# Altium PCB edison_breakout2.PcbDoc (part 3 of 3)
Units mil, origin at the board's own origin, x right, y up, seen from the top; angles counter-clockwise.
Board outline 3154.64 x 2013.03 mil, 6 copper layers (Top Layer, GND, VCC, Signal Layer 2, GND (Mid4), Bottom Layer), stack 48.468 mil thick; 204 components, 180 nets, 878 pads, 400 vias.
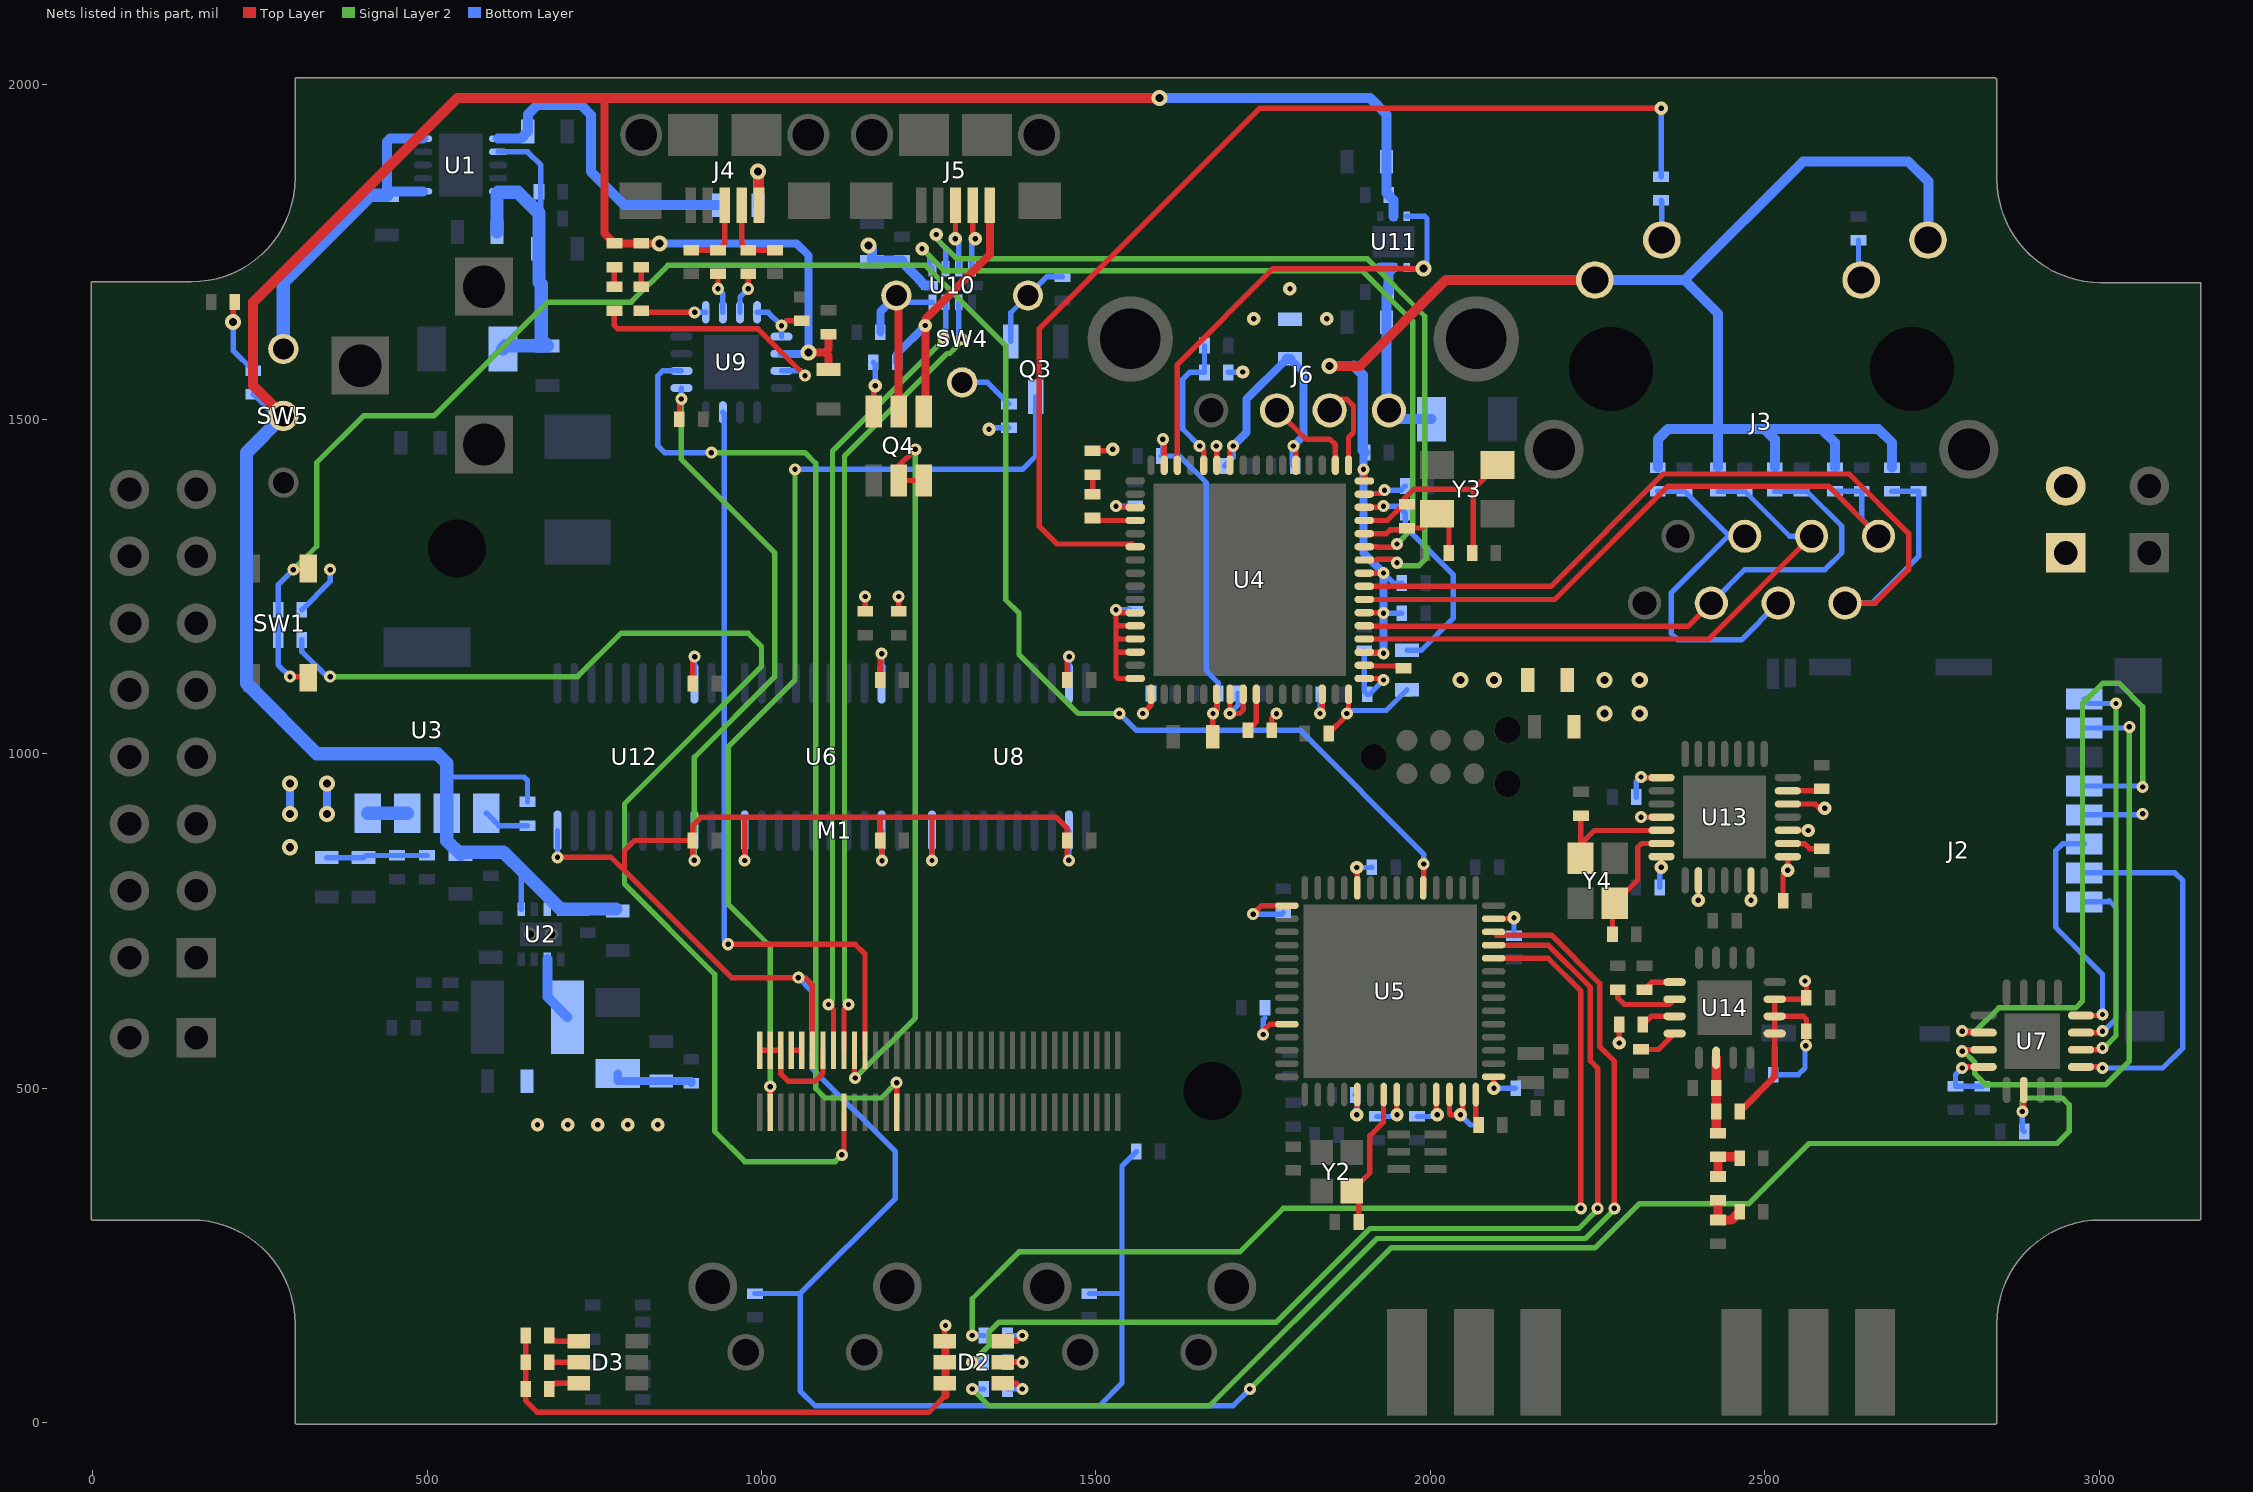
[diagram p7: the nets of this part, all layers, seen from the top]

## Via types
v1: diameter 18, hole 8, Top Layer to Bottom Layer, 232 vias
v2: diameter 20, hole 8, Top Layer to Bottom Layer, 57 vias
v3: diameter 24, hole 12, Top Layer to Bottom Layer, 47 vias
v4: diameter 19.68, hole 7.87, Top Layer to Bottom Layer, 42 vias
v5: diameter 22, hole 8, Top Layer to Bottom Layer, 18 vias
v6: diameter 150, hole 137.8, Top Layer to Bottom Layer, 4 vias

## Nets (pads, with @x,y where several pads share a name; then routed paths per layer and width w, separated by ;. In a path a pad name is that pad's centre, name@x,y a point inside that pad or via, vN(x,y) a via of type N, cw(c..) or ccw(c..) an arc to the next point about the centre after c; other vN are vias at no path point) (continued)
NetC51_2: C51.2 U5.35 Y2.3 | length 214.3
  Top Layer w8: C51.2@1892.72,299.8 1892.72,336.18 Y2.3@1882.64,346.26 1909.37,372.99 1909.37,428.46 1930,449.09 1930,490.12 U5.35@1930.16,490.28
NetC59_1: C59.1 R45.1 U4.61 Y3.3 | length 331
  Top Layer w8: U4.61@1901.26,1348.58 1935.45,1348.58 1959.59,1372.72 R45.1@1965,1372.72 ; R45.1@1960,1380 1975,1395 2063.86,1395 ; C59.1@2062.28,1300 2063.86,1301.57 2063.86,1395 ; Y3.3@2100.28,1431.42 2063.86,1395
NetC60_1: C60.1 R26.2 U4.12 | length 218
  Top Layer w8: v1(1655,1460) 1661,1454 1661,1431.36 U4.12@1661.1,1431.26
  Bottom Layer w8: v1(1655,1460) 1630,1485 1630,1560 1640,1570 R26.2@1662.28,1570 C60.1@1662.28,1610
NetC61_1: C61.1 J3.4 J3.5 R24.2 | length 527.3
  Bottom Layer w8: R24.2@2340,1392.28 C61.1@2380,1392.28 J3.5@2447.28,1325 ; J3.5@2470,1325 J3.5@2447.28,1325 ; J3.4@2520,1225 2465,1170 2370,1170 2360,1180 2360,1240 2445,1325 J3.5@2447.28,1325
NetC69_1: C69.1 J4.2 R29.1 | length 110.9
  Top Layer w8: J4.2@970.59,1819.68 970.59,1762.13 R29.1@980,1752.72 C69.1@1020,1752.72
NetC70_1: C70.1 J4.3 R32.1 | length 111.1
  Top Layer w8: C70.1@895,1752.72 R32.1@935,1752.72 945,1762.72 J4.3@945,1819.68
NetC87_1: C87.1 C90.1 L5.1 | length 66.9
  Top Layer w14: L5.1@2430,332.28 C87.1@2430,302.72 2450,302.72 C90.1@2462.28,315
NetC88_1: C88.1 L2.2 L4.2 U14.10 | length 109.7
  Top Layer w14: L4.2@2427.2,435.51 U14.10@2427.2,545.2
NetC89_1: C89.1 L4.1 L5.2 | length 59.6
  Top Layer w14: L5.2@2430,367.72 L4.1@2430,397.28 C89.1@2460,397.28
NetC91_1: C91.1 U13.27 | length 52
  Top Layer w8: U13.27@2534.49,944.68 U13.27@2534.49,944.37 2582.09,944.37 C91.1@2585,947.28
NetC92_1: C92.1 U13.12 Y4.1 | length 193
  Top Layer w8: Y4.1@2224.41,843.46 2225,844.06 Y4.1@2225,865 ; C92.1@2225,907.28 Y4.1@2225,865 ; U13.12@2345.51,885.31 2345.2,885 2245,885 Y4.1@2225,865
NetC93_1: C93.1 U13.13 Y4.3 | length 183.5
  Top Layer w8: C93.1@2272.28,730 2272.28,773.23 Y4.3@2275.59,776.54 2310,810.94 2310,860 2315.63,865.63 U13.13@2345.51,865.63
NetC96_1: C96.1 R45.2 U4.60 Y3.1 | length 186.8
  Top Layer w8: U4.60@1901.26,1328.9 1934.31,1328.9 1940,1334.58 1962.3,1334.58 R45.2@1965,1337.28 1988.43,1337.28 Y3.1@2009.72,1358.58 2027.72,1340.59 C96.1@2027.72,1300
NetC97_1: C97.1 U9.8 U9.9 | length 94.4
  Top Layer w8: v1(1029.8,1639.8) 1037.28,1647.28 C97.1@1060,1647.28
  Bottom Layer w8: U9.8@993.39,1659.8 1009.8,1659.8 v1(1029.8,1639.8) U9.9@1029.8,1623.39
NetD1_1: D1.1 R1.2 | length 115.8
  Top Layer w8: v3(210,1645) 210,1672.28 D1.1@212.72,1675
  Bottom Layer w8: v3(210,1645) 210,1602.72 R1.2@240,1572.72
NetD2_1: D2.1 R4.1 | length 55.2
  Top Layer w8: D2.1@1360.59,58.5 1381.5,58.5 v1(1390,50)
  Bottom Layer w8: R4.1@1367.72,50 v1(1390,50)
NetD2_2: D2.2 R5.1 | length 51.7
  Top Layer w8: D2.2@1360.59,90 v1(1390,90)
  Bottom Layer w8: R5.1@1367.72,90 v1(1390,90)
NetD2_3: D2.3 R6.2 | length 55.2
  Top Layer w8: D2.3@1360.59,121.5 1381.5,121.5 v1(1390,130)
  Bottom Layer w8: R6.2@1367.72,130 v1(1390,130)
NetD3_4: D3.4 R14.1 | length 47.5
  Top Layer w8: R14.1@682.72,130 691.22,121.5 D3.4@726.69,121.5
NetD3_5: D3.5 R13.1 | length 44
  Top Layer w8: R13.1@682.72,90 D3.5@726.69,90
NetD3_6: D3.6 R12.1 | length 47.5
  Top Layer w8: R12.1@682.72,50 691.22,58.5 D3.6@726.69,58.5
NetD4_2: D4.2 R25.1 | length 29.6
  Top Layer w8: R25.1@1495,1387.72 D4.2@1495,1417.28
NetD5_1: D5.1 R30.2 | length 29.6
  Top Layer w8: D5.1@780,1697.72 R30.2@780,1727.28
NetD5_2: D5.2 U9.11 | length 376.5
  Top Layer w8: D5.2@780,1662.28 780,1640 785,1635 995,1635 v1(1065,1565)
  Bottom Layer w8: U9.11@1029.8,1572.2 1057.8,1572.2 v1(1065,1565)
NetD6_1: D6.1 R31.2 | length 29.6
  Top Layer w8: D6.1@820,1697.72 R31.2@820,1727.28
NetD6_2: D6.2 U9.5 | length 97.6
  Top Layer w8: D6.2@820,1662.28 822.48,1659.8 v1(900,1659.8)
  Bottom Layer w8: v1(900,1659.8) U9.5@916.61,1659.8
NetFB5_2: FB5.2 J4.1 | length 101
  Top Layer w15: v3(995,1870) 996.18,1868.82 J4.1@996.18,1819.68
  Bottom Layer w15: FB5.2@994.53,1820 995,1820.47 v3(995,1870)
NetJ3_10: J3.10 R27.2 | length 60.9
  Bottom Layer w8: R27.2@2640,1767.28 2640,1712.09 J3.10@2644.02,1708.07
NetJ3_11: J3.11 R28.2 | length 59.8
  Bottom Layer w8: R28.2@2345,1827.28 2345.98,1826.3 J3.11@2345.98,1767.91
NetJ5_1: J5.1 Q4.4 R35.2 | length 422
  Top Layer w12: Q4.4@1242.4,1511.57 1245,1514.17 v2(1245,1640) 1245,1650 1341.69,1746.69 1341.69,1819.18 J5.1@1341.18,1819.68
  Bottom Layer w12: R35.2@1202.72,1585 1202.72,1597.72 v2(1245,1640)
NetL1_2: L1.2 U2.2 | length 99.1
  Bottom Layer w15: U2.2@679.84,692.6 679.84,636.2 L1.2@710.04,606
NetM1_3: M1.3 Q3.3 | length 1485.7
  Top Layer w8: M1.3@1013.03,463.74 v1(1013.03,501.97)
  Signal Layer 2 w8: v1(1013.03,501.97) 1013.03,711.97 950,775 950,1010 1050,1110 v1(1050,1425)
  Bottom Layer w8: v1(1050,1425) 1390,1425 1410,1445 Q3.3@1410,1533.66
NetM1_17: M1.17 R15.1 | length 1898
  Top Layer w8: v1@1123.27,400 M1.17@1123.27,463.74
  Signal Layer 2 w8: v1(355,1115) 725,1115 790,1180 980,1180 1000,1160 1000,1130 795,925 795,805 930,670 930,435 975,390 1110,390 v1(1120,400)
  Bottom Layer w8: R15.1@312.72,1170 312.72,1152.28 350,1115 v1(355,1115)
NetM1_20: M1.20 Q4.2 Q4.3 | length 1113.3
  Top Layer w8: M1.20@1139.02,556.26 1139.02,515.98 v1(1140,515) ; v1(1230,1455) 1205,1430 Q4.2@1205,1408.43 Q4.3@1242.4,1408.43
  Signal Layer 2 w8: v1(1140,515) 1230,605 v1(1230,1455)
NetM1_22: M1.22 U9.15 | length 1153.3
  Top Layer w8: v1(950,715) 1140,715 1154.76,700.24 M1.22@1154.76,556.26
  Bottom Layer w8: U9.15@942.2,1510.2 944.16,1508.24 944.16,720.84 v1(950,715)
NetM1_27: M1.27 U9.2 | length 1505.5
  Top Layer w8: M1.27@1202.01,463.74 v1(1202.01,507.99)
  Signal Layer 2 w8: v1(925,1450) 1065,1450 1081,1434 1081,499 1095,485 1179.02,485 v1(1202.01,507.99)
  Bottom Layer w8: U9.2@880.2,1572.2 852.2,1572.2 845,1565 845,1460 855,1450 v1(925,1450)
NetQ3_1: Q3.1 R33.1 SW4.2 | length 142.4
  Bottom Layer w8: Q3.1@1372.6,1616.34 1372.6,1659.13 SW4.2@1398.43,1684.96 1426.18,1712.72 R33.1@1450,1712.72
NetQ4_6: Q4.6 R35.1 | length 75.5
  Top Layer w8: Q4.6@1167.6,1511.57 1167.6,1547.6 v2(1170,1550)
  Bottom Layer w8: R35.1@1167.28,1585 1170,1582.28 v2(1170,1550)
NetR4_2: R4.2 U5.54 | length 1646.9
  Top Layer w8: U5.54@2094.53,733.39 2099.29,728.62 2180.98,728.62 2253,656.6 2253,562 2275,540 v1(2275,320)
  Signal Layer 2 w8: v1(1315,50) 1340,25 1670,25 1920,275 2231.87,275 2275,318.13 v1(2275,320)
  Bottom Layer w8: v1(1315,50) R4.2@1332.28,50
NetR5_2: R5.2 U5.53 | length 1571.2
  Top Layer w8: U5.53@2094.53,713.7 2176.1,713.7 2239,650.8 2239,541 2250,530 v1(2250,320) v1@2245,320
  Signal Layer 2 w8: v1(1315,90) 1340,115 1340,135 1355,150 1770,150 1910,290 2221.87,290 2250,318.13 v1(2250,320)
  Bottom Layer w8: v1(1315,90) R5.2@1332.28,90
NetR6_1: R6.1 U5.52 | length 1514
  Top Layer w8: U5.52@2094.53,694.02 2175.98,694.02 2225,645 v1(2225,320)
  Signal Layer 2 w8: v1(1315,130) 1315,185 1385,255 1715,255 1780,320 v1(2225,320)
  Bottom Layer w8: v1(1315,130) R6.1@1332.28,130
NetR8_1: R8.1 U5.42 | length 47.3
  Top Layer w8: U5.42@2067.95,490.28 2067.95,449.13 R8.1@2072.28,444.8
NetR11_2: R11.2 R15.2 SW1.1 SW1.2 U5.5 | length 2853.8
  Top Layer w8: v1(295,1115) 320.63,1115 SW1.2@322.32,1113.31 ; v1(300,1275) 301.69,1276.69 SW1.1@322.32,1276.69 ; U5.5@1989.21,799.33 1990,800.12 v1(1990,835)
  Signal Layer 2 w8: v1(300,1275) 335,1310 335,1435 405,1505 510,1505 680,1675 805,1675 860,1730 1245,1730 1365,1610 1365,1230 1385,1210 1385,1148.13 1473.13,1060 v1(1535,1060)
  Bottom Layer w8: v1(295,1115) 277.28,1132.72 R15.2@277.28,1170 R11.2@277.28,1215 277.28,1252.28 v1(300,1275) ; v1(1535,1060) 1560,1035 1805,1035 1990,850 v1(1990,835)
NetR18_2: R18.2 U4.50 | length 63.1
  Top Layer w8: U4.50@1901.26,1132.05 1901.26,1131 1960,1131 R18.2@1960,1127.72
NetR19_2: R19.2 U4.41 | length 58.9
  Top Layer w8: R19.2@1727.28,1035 1739.84,1047.56 U4.41@1739.84,1088.74
NetR25_2: R25.2 U4.20 | length 65.7
  Top Layer w8: R25.2@1495,1352.28 1498.7,1348.58 U4.20@1558.74,1348.58 U4.20@1558.74,1349
NetR29_2: R29.2 U9.7 | length 62.5
  Top Layer w8: v1(980,1695) R29.2@980,1717.28
  Bottom Layer w8: U9.7@967.8,1659.8 967.8,1682.8 v1(980,1695)
NetR32_2: R32.2 U9.6 | length 60.5
  Top Layer w8: v1(935,1695) R32.2@935,1717.28
  Bottom Layer w8: v1(935,1695) 942.2,1687.8 U9.6@942.2,1659.8
NetR34_1: R34.1 SW4.C | length 83.4
  Bottom Layer w8: SW4.C@1300,1555.04 1337.68,1555.04 R34.1@1370,1522.72
NetR37_1: R37.1 U4.63 | length 66.6
  Top Layer w8: U4.63@1901.26,1387.95 1901.26,1389 1926.3,1389 v1(1931.3,1394)
  Bottom Layer w8: v1(1931.3,1394) 1956.28,1394 R37.1@1962.28,1400
NetR38_2: R38.2 U14.5 | length 49.8
  Top Layer w8: R38.2@2320,647.28 2331.1,658.39 U14.5@2365.2,658.39
NetR39_2: R39.2 U14.6 | length 104.9
  Top Layer w8: R39.2@2280,647.28 2280,635 2290,625 2357.4,625 U14.6@2365.2,632.8
NetR40_2: R40.2 U14.7 | length 52.5
  Top Layer w8: R40.2@2317.72,595 2329.92,607.2 U14.7@2365.2,607.2
NetR41_1: R41.1 U14.8 | length 60.1
  Top Layer w8: R41.1@2315,557.72 2341.3,557.72 U14.8@2365.2,581.61
NetR42_1: R42.1 U13.23 | length 54.2
  Top Layer w8: U13.23@2534.49,865.63 2534.49,865 2560,865 2567.28,857.72 R42.1@2585,857.72
NetR43_2: R43.2 U3.1 | length 69.2
  Bottom Layer w8: U3.1@588.58,910.98 607.28,892.28 R43.2@650,892.28
RX_N: C65.1 J3.6 R23.2 U4.53 | length 921.3
  Top Layer w8: U4.53@1901.26,1191.1 1902.17,1190.2 2385.2,1190.2 J3.6@2420,1225
  Bottom Layer w8: J3.6@2420,1225 2470,1275 2590,1275 2615,1300 2615,1340 2562.72,1392.28 C65.1@2555,1392.28 R23.2@2515,1392.28
RX_P: C64.1 J3.3 R22.2 U4.52 | length 900.2
  Top Layer w8: U4.52@1901.26,1171.42 2416.42,1171.42 J3.3@2570,1325
  Bottom Layer w8: R22.2@2430,1392.28 C64.1@2470,1392.28 2537.28,1325 J3.3@2570,1325
S\P\D\: R28.1 U4.22 | length 1620.3
  Top Layer w8: U4.22@1558.74,1309.21 1554.57,1313.39 1441.82,1313.39 1415,1340.2 1415,1635 1745,1965 v2(2345,1965)
  Bottom Layer w8: R28.1@2345,1862.72 v2(2345,1965)
SD_CLK: J2.5 U7.14 | length 1001.8
  Top Layer w8: v1(2795,585) 2797.2,582.8 U7.14@2827.17,582.8
  Signal Layer 2 w8: v1(2795,585) 2815,585 2850,620 2965,620 2975,630 2975,1075 3005,1105 3030,1105 3065,1070 v1(3065,950)
  Bottom Layer w8: J2.5@2977.56,951.65 3063.35,951.65 v1(3065,950)
SD_CMD: J2.3 U7.8 | length 353.6
  Top Layer w8: U7.8@2972.83,608.39 3003.39,608.39 v1(3005,610)
  Bottom Layer w8: J2.3@2977.56,865.04 J2.3@2977.56,865.04 2945.04,865.04 2935,855 2935,740 3005,670 v1(3005,610)
SD_DAT0: J2.7 U7.15 | length 896.1
  Top Layer w8: v1(2795,555) 2797.2,557.2 U7.15@2827.17,557.2
  Signal Layer 2 w8: v1(2795,555) 2796.87,555 2814,537.87 2814,521 2829.9,505.1 3009.9,505.1 3045,540.21 v1(3045,1040)
  Bottom Layer w8: J2.7@2977.56,1038.27 3043.27,1038.27 v1(3045,1040)
SD_DAT1: J2.8 U7.6 | length 607.9
  Top Layer w8: U7.6@2972.83,557.2 3002.2,557.2 v1(3005,560)
  Signal Layer 2 w8: v1(3005,560) 3006.87,560 3025,578.13 v1(3025,1075)
  Bottom Layer w8: J2.8@2977.56,1081.57 2984.13,1075 v1(3025,1075)
SD_DAT2: J2.1 U7.7 | length 279.7
  Top Layer w8: U7.7@2972.83,582.8 3002.8,582.8 v1(3005,585)
  Bottom Layer w8: J2.1@2977.56,778.43 3013.43,778.43 3015,780 3025,770 3025,603.13 3006.87,585 v1(3005,585)
SD_DAT3: J2.2 U7.5 | length 567.6
  Top Layer w8: U7.5@2972.83,531.61 3003.39,531.61 v1(3005,530)
  Bottom Layer w8: J2.2@2977.56,821.73 3113.27,821.73 3125,810 3125,560 3095,530 v1(3005,530)
TX_N: C63.1 J3.2 R21.2 U4.56 | length 1366.2
  Top Layer w8: U4.56@1901.26,1250.16 2180.16,1250.16 2348,1418 2626.22,1418 2715,1329.22 2715,1275 2665,1225 J3.2@2620,1225
  Bottom Layer w8: J3.2@2620,1225 2660,1225 2730,1295 C63.1@2730,1392.28 R21.2@2690,1392.28
TX_P: C62.1 J3.1 R20.2 U4.55 | length 987.7
  Top Layer w8: U4.55@1901.26,1230.47 2185.93,1230.47 2355.46,1400 2595,1400 J3.1@2670,1325
  Bottom Layer w8: R20.2@2605,1392.28 C62.1@2645,1392.28 2645,1350 J3.1@2670,1325
USB2_PWR: C73.1 C76.1 C77.1 J6.1 U11.5 U11.6 | length 308.2
  Bottom Layer w15: U11.6@1925.32,1726.61 U11.5@1945,1726.61 1937.72,1719.33 C76.1@1937.72,1690 1934.53,1686.81 C77.1@1934.53,1645 1934.53,1516.73 J6.1@1937.95,1513.31 1951.26,1500 C73.1@2001.85,1500
USB2_PWR_EN: U4.14 U11.3 U11.4 | length 712.9
  Top Layer w8: U4.14@1621.73,1431.26 1621.73,1581.73 1765,1725 v3(1990,1725)
  Bottom Layer w8: U11.4@1964.68,1726.61 1966.3,1725 v3(1990,1725) 1995,1730 1995,1800 1991.61,1803.39 U11.3@1964.68,1803.39
USB_DOWNSTREAM_N: J6.2 U4.1 | length 138.5
  Top Layer w8: J6.2@1849.37,1513.31 1866.06,1530 1875,1530 1885,1520 1885,1480 1877.64,1472.64 U4.1@1877.64,1431.26
USB_DOWNSTREAM_P: J6.3 U4.2 | length 139.3
  Top Layer w8: J6.3@1770.63,1513.31 1813.94,1470 1850,1470 1857.95,1462.05 U4.2@1857.95,1431.26
USB_EDISON_N: M1.18 U10.7 | length 1206.5
  Top Layer w8: M1.18@1123.27,556.26 1123.27,618.27 v1(1130,625)
  Signal Layer 2 w8: v1(1130,625) 1124,631 1124,1445 1277.26,1598.26 1281.37,1598.26 1300,1616.89 v1(1300,1620)
  Bottom Layer w8: U10.7@1294.84,1675 1294.84,1625.16 v1(1300,1620) v1@1295,1620
USB_EDISON_P: M1.16 U10.8 | length 1193.5
  Top Layer w8: v1(1100,625) 1107.52,617.48 M1.16@1107.52,556.26
  Signal Layer 2 w8: v1(1100,625) 1106,631 1106,1452.46 v1@1273.33,1619.78
  Bottom Layer w8: v1(1271.84,1621.26) 1275.16,1624.58 U10.8@1275.16,1675
USB_MASTER/SLAVE_SEL: Q4.5 R36.1 SW4.1 U10.9 | length 297.7
  Top Layer w12: SW4.1@1201.57,1684.96 1205,1681.54 Q4.5@1205,1511.57
  Bottom Layer w8: SW4.1@1201.57,1684.96 1211.54,1675 U10.9@1255.47,1675
  Bottom Layer w12: R36.1@1177.72,1630 1177.72,1661.1 SW4.1@1201.57,1684.96
USB_SLAVE_N: J5.2 U10.4 | length 98.5
  Top Layer w8: J5.2@1315.59,1819.68 1315.59,1774.09 v2(1319.69,1770)
  Bottom Layer w8: U10.4@1314.53,1725 1314.53,1764.84 v2(1319.69,1770)
USB_SLAVE_P: J5.3 U10.3 | length 97
  Top Layer w8: v2(1289.69,1770) 1290,1770.31 J5.3@1290,1819.68
  Bottom Layer w8: v2(1289.69,1770) 1294.84,1764.84 U10.3@1294.84,1725
USB_UPSTREAM_N: U4.58 U10.2 | length 1305.9
  Top Layer w8: U4.58@1901.26,1289.53 1920.02,1289.53 1920.87,1290.37 1945,1290.37 v1(1950,1285.37)
  Signal Layer 2 w8: v2(1261.21,1776.21) 1261.21,1770.19 1291.4,1740 1905.46,1740 1991.54,1653.91 1991.54,1310.33 1994,1307.87 1994,1292.13 1982.87,1281 1954.37,1281 v1(1950,1285.37)
  Bottom Layer w8: v2(1261.21,1776.21) 1261.21,1770.19 1275.16,1756.24 U10.2@1275.16,1725
USB_UPSTREAM_P: U4.59 U10.1 | length 1208.9
  Top Layer w8: U4.59@1901.26,1309.21 1920.02,1309.21 1920.87,1308.37 1945,1308.37 v1(1950,1313.37)
  Signal Layer 2 w8: v2(1240,1755) 1273,1722 1898,1722 1973.54,1646.46 1973.54,1336.91 v1(1950,1313.37)
  Bottom Layer w8: v2(1240,1755) 1251.47,1743.53 1251.47,1729 U10.1@1255.47,1725
V_ORED: C10.1 SW5.3 U1.6 U1.10 | length 501.6
  Bottom Layer w15: U1.6@493.9,1840.63 446.1,1840.63 C10.1@440,1834.53 440,1915 444.37,1919.37 U1.10@493.9,1919.37
  Bottom Layer w20: SW5.3@285,1605 285,1705 415,1835 439.53,1835 C10.1@440,1834.53
VCC1.8_EDISON: C38.1 C52.1 C53.1 C54.1 C66.1 M1.12 R9.1 R10.1 R46.1 U6.2 U6.10 U7.2 U8.2 U8.10 U9.1 U12.2 U12.10 | length 6204.1
  Top Layer w8: v1(695,845) 775,845 795,825 ; C66.1@877.28,1500 877.28,1527.28 v1(880.2,1530.2) ; v1(899.57,840.43) 897.28,842.72 C54.1@897.28,870 ; v1(974.84,840.16) 974.84,904.84 975,905 ; M1.12@1076.02,556.26 1076.02,653.98 1065,665 v1(1055,665) 955,665 795,825 ; v1(1180,840) 1180,867.28 C53.1@1177.28,870 1177.28,902.28 1180,905 ; v1(1254.84,840.16) 1254.84,904.84 1255,905 ; v1(1459.57,840.43) 1457.28,842.72 C38.1@1457.28,870 1457.28,887.72 1440,905 1255,905 ; v1(2885,465) 2887.2,467.2 U7.2@2887.2,497.17 ; 795,825 795,855 810,870 C54.1@897.28,870 ; C54.1@897.28,870 897.28,892.28 910,905 975,905 ; 975,905 1180,905 ; 1180,905 1255,905
  Signal Layer 2 w8: v1(880.2,1530.2) 880,1530 880,1440 1020,1300 1020,1115 899.57,994.57 v1(899.57,840.43) ; v1(1730,50) 1941,261 2246,261 2311.8,326.8 2475.8,326.8 2565.99,417 2937,417 2955,435 2955,475 2945,485 2890,485 2885,480 v1(2885,465)
  Bottom Layer w8: U12.10@694.84,884.76 694.84,845.16 v1(695,845) ; v1(880.2,1530.2) U9.1@880.2,1546.61 ; v1(899.57,840.43) U12.2@899.57,884.76 ; v1(974.84,840.16) U6.10@974.84,884.76 ; R9.1@990,192.72 1057.72,192.72 ; v1(1055,665) 1075,645 1075,530 1200,405 1200,335 1057.72,192.72 ; U6.2@1179.57,884.76 1179.57,840.43 v1(1180,840) ; v1(1254.84,840.16) U8.10@1254.84,884.76 ; v1(1459.57,840.43) U8.2@1459.57,884.76 ; R10.1@1490,192.72 1536.72,192.72 1539,195 ; R46.1@1560.28,405 1539,383.72 1539,195 ; v1(1730,50) 1705,25 1505,25 ; v1(2885,465) 2885,437.72 C52.1@2887.72,435 ; 1057.72,192.72 1057.72,47.28 1080,25 1505,25 ; 1505,25 1539,59 1539,195
VCC3.3: C13.1 C14.1 C21.1 C22.1 C23.1 C24.1 C30.1 C31.1 C32.1 C33.1 C34.1 C35.1 C36.1 C37.1 C46.1 C55.1 C56.1 C57.1 C58.1 C71.1 C72.1 C78.1 C79.1 C82.1 C83.1 C84.1 C94.1 C95.1 D2.4 D2.5 D2.6 D4.1 FB3.2 FB6.2 J2.4 L2.1 P1.1 P1.2 R11.1 R12.2 R13.2 R14.2 R16.1 R17.1 R19.1 R26.1 R34.2 R40.1 U3.3 U3.4 U4.11 U4.19 U4.27 U4.28 U4.29 U4.30 U4.32 U4.33 U4.39 U4.40 U4.46 U5.10 U5.15 U5.24 U5.33 U5.36 U5.39 U5.40 U5.41 U5.43 U5.55 U6.19 U7.16 U8.19 U10.10 U12.19 U14.13 U14.14 U14.15 | length 3658.6
  Top Layer w8: R14.2@647.28,130 R13.2@647.28,90 R12.2@647.28,50 647.28,32.72 665,15 1250,15 1275,40 ; C79.1@897.28,1105 897.28,1142.28 v1(900,1145) ; R16.1@1155,1212.72 v1(1155,1235) ; C55.1@1177.28,1110 1177.28,1147.28 v1(1179.57,1149.57) ; R17.1@1205,1212.72 v1(1205,1235) ; D2.4@1273.98,121.5 1273.98,143.98 v1(1275,145) ; C56.1@1457.28,1110 1457.28,1142.28 v1(1460,1145) ; D4.1@1495,1452.72 1522.72,1452.72 v2(1525,1455) ; v1(1530,1370) 1531.73,1368.27 U4.19@1558.74,1368.27 ; U4.32@1558.74,1112.36 1532.64,1112.36 1530,1115 1530,1155 ; U4.30@1558.74,1151.73 1533.27,1151.73 1530,1155 ; U4.29@1558.74,1171.42 1533.58,1171.42 1530,1175 ; U4.28@1558.74,1191.1 1533.9,1191.1 1530,1195 ; U4.27@1558.74,1210.79 1530.79,1210.79 1530,1211.57 v1(1530,1215) 1530,1195 ; v1(1570,1060) 1581.1,1071.1 U4.33@1581.1,1090 ; v1(1680,1460) 1680.79,1459.21 U4.11@1680.79,1431.26 ; U4.39@1700.47,1088.74 1700.47,1060.47 v1(1700,1060) 1715,1060 1720.16,1065.16 U4.40@1720.16,1088.74 ; v1(1735,760) 1747.76,772.76 U5.15@1785.47,772.76 ; v1(1750,580) 1750,585 1760.59,595.59 U5.24@1785.47,595.59 ; R19.1@1762.72,1035 1762.72,1052.72 1769.99,1059.99 v1(1769.85,1059.85) ; v1(1835,1060) 1838.27,1063.27 U4.46@1838.27,1088.74 ; v2(1890,459.8) 1890.79,460.59 U5.33@1890.79,490.28 ; v2(1890,829.8) 1890.79,829.02 U5.10@1890.79,799.33 ; U5.36@1949.84,490.28 1949.84,459.96 v2(1950,459.8) ; U5.39@2008.9,490.28 2008.9,460.91 v2(2010,459.8) ; U5.40@2028.58,490.28 2028.58,461.22 2030,459.8 v2(2045,459.8) 2048.27,463.07 U5.41@2048.27,490.28 ; U5.43@2094.53,516.85 2094.53,500.28 v2(2095,499.8) ; U5.55@2094.53,753.07 2123.27,753.07 v2(2125,754.8) ; v2(2282.28,567.28) R40.1@2282.28,595 ; 2514.8,560.2 U14.13@2514.8,581.61 U14.14@2514.8,607.2 ; v1(2560,660) 2562.28,657.72 C82.1@2562.28,635 2560.08,632.8 U14.15@2514.8,632.8 U14.14@2514.8,607.2 ; v1(2561.46,563.33) 2562.28,564.15 C83.1@2562.28,585 2562.28,602.72 2557.8,607.2 U14.14@2514.8,607.2 ; v1(2795,530) 2796.61,531.61 U7.16@2827.17,531.61 ; 1530,1155 1530,1175 ; 1530,1175 1530,1195
  Top Layer w10: L2.1@2462.72,465 2514.8,517.09 2514.8,560.2
  Top Layer w12: D2.4@1273.98,121.5 1275,120.47 1275,40
  Bottom Layer w8: R11.1@312.72,1215 355,1257.28 v1(355,1275) ; C94.1@350,844.53 C14.1@405,844.53 408.19,847.72 C13.1@455,847.72 C95.1@500,847.72 ; U12.19@899.57,1105.24 899.57,1144.57 v1(900,1145) ; U6.19@1179.57,1105.24 v1(1179.57,1149.57) ; v2(1340,1485) 1342.28,1487.28 R34.2@1370,1487.28 ; U8.19@1459.57,1105.24 1459.57,1144.57 v1(1460,1145) ; v1(1530,1215) 1550.98,1215 1555.98,1210 C34.1@1558.74,1212.76 ; v1(1530,1370) 1530.24,1370.24 C33.1@1558.74,1370.24 ; v1(1570,1060) 1582.28,1072.28 C35.1@1582.28,1090 ; R26.1@1697.72,1570 1718.89,1570 v2(1719.44,1570.56) ; v1(1700,1060) 1712.28,1072.28 C36.1@1712.28,1090 ; v1(1735,760) 1777.72,760 C22.1@1780,762.28 ; v1(1750,580) 1750,602.28 1752.72,605 ; v1(1835,1060) 1835,1087.44 C37.1@1836.3,1088.74 ; C30.1@1887.72,489.8 1890,487.52 v2(1890,459.8) ; v2(1890,829.8) 1912.24,829.8 C21.1@1912.44,830 ; C32.1@1920,457.52 1947.72,457.52 v2(1950,459.8) ; C31.1@1980,457.52 2007.72,457.52 v2(2010,459.8) ; v2(2045,459.8) 2060,444.8 C78.1@2072.28,444.8 ; v2(2095,499.8) C46.1@2127.28,499.8 ; C24.1@2125,727.72 v2(2125,754.8) ; C84.1@2514.8,522.09 C84.1@2512.72,520 2550,520 2560,530 2560,561.87 v1(2561.46,563.33) ; v1(2795,530) 2785,520 C58.1@2785,502.72 C57.1@2825,502.72 ; J2.4@2977.56,908.35 3063.35,908.35 v1(3065,910)
  Bottom Layer w12: v3(295,910) v3(295,955) ; v3(350,910) v3(350,955)
  Bottom Layer w15: v3(1160,1760) 1165,1755 C72.1@1165,1735.47 1166.81,1737.28 C71.1@1210,1737.28 1210,1735 1236.07,1708.93 1236.07,1707.99 1244.06,1700 U10.10@1251.14,1700
  Bottom Layer w20: U3.4@411.42,910.98 U3.3@470.47,910.98
  other v2: 1736,1650 1845,1650 1790,1695
  other v3: 295,860 2045,1110 2095,1110
VCC3.3_2520: C80.1 C81.1 C85.1 C86.1 FB6.1 U13.8 U13.11 U13.14 U13.16 U13.20 U13.22 U13.24 U13.26 | length 360.4
  Top Layer w8: v1(2315,905) U13.11@2345.51,905 ; v1(2315,965) 2315.94,964.06 U13.8@2345.51,964.06 ; v2(2345,830) 2345.51,830.51 U13.14@2345.51,845.94 ; v2(2400.63,780.63) U13.16@2400.63,810.51 ; v2(2479.37,780.63) U13.20@2479.37,810.51 ; C86.1@2527.28,780 2527.28,818.31 v2(2534.49,825.51) U13.22@2534.49,845.94 ; U13.24@2534.49,885.31 2564.69,885.31 v2(2565,885) ; U13.26@2534.49,924.68 2575.32,924.68 2581.59,918.41 v2(2589.87,918.41) v2@2586.46,915
  Bottom Layer w8: C81.1@2307.72,935 2307.72,957.72 v1(2315,965) ; C85.1@2342.72,800 v2@2342.72,827.72
  other v3: 2260,1060 2313,1060 2260,1110 2313,1110
VCC3.3_EDISON: M1.8 M1.10 | length 15.7
  Top Layer w8: M1.8@1044.53,556.26 M1.10@1060.28,556.26
VCC3.3A: C39.1 C40.1 C41.1 C42.1 C43.1 C44.1 C45.1 FB3.1 J3.9 J3.12 R20.1 R21.1 R22.1 R23.1 R24.1 U4.5 U4.10 U4.49 U4.51 U4.54 U4.57 U4.64 | length 3250.1
  Top Layer w8: U4.10@1700.47,1431.26 1700.47,1455.47 v1(1705,1460) ; v1(1795,1460) 1798.9,1456.1 U4.5@1798.9,1431.26 ; v1(1900,1425) 1901.26,1423.74 U4.64@1901.26,1407.64 ; U4.49@1901.26,1112.36 v1@1927.64,1112.36 ; U4.51@1901.26,1151.73 1928.27,1151.73 v1(1930,1150) ; U4.54@1901.26,1210.79 1929.21,1210.79 v1(1930,1210) ; U4.57@1901.26,1269.84 1929.84,1269.84 v1(1930,1270)
  Top Layer w12: v1@1927.64,1112.36 v1(1930,1110)
  Top Layer w15: v3(1849,1579.6) 1894.6,1579.6 2023.07,1708.07 J3.12@2245.98,1708.07
  Bottom Layer w8: C40.1@1692.28,1430 1705,1442.72 v1(1705,1460) ; v1(1930,1110) 1908.74,1088.74 C41.1@1905.35,1088.74 1901.26,1092.83 C42.1@1901.26,1153.7 1904.96,1150 v1(1930,1150) ; v1(1930,1210) C44.1@1957.28,1210 ; v1(1930,1270) 1945,1255 C45.1@1957.28,1255
  Bottom Layer w12: v1(1705,1460) 1725,1480 1725,1530 FB3.1@1785.47,1590.47 ; FB3.1@1790.47,1590 1810,1570.47 1810,1475 v1(1795,1460) 1795,1432.72 C39.1@1797.72,1430 ; C43.1@1902.28,1450 1900,1447.72 v1(1900,1425) 1900,1300 v1(1930,1270) v1(1930,1210) v1(1930,1150)
  Bottom Layer w15: FB3.1@1785.47,1590.47 1785.94,1590 FB3.1@1790.47,1590 ; v3(1849,1579.6) 1884.6,1579.6 1885,1580 1898.86,1566.14 1898.86,1453.42 C43.1@1902.28,1450 ; J3.12@2245.98,1708.07 2380,1708.07 ; R24.1@2340,1427.72 2340,1470 2355,1485 2430,1485 ; R22.1@2430,1427.72 2430,1485 ; R23.1@2515,1427.72 2515,1470 2500,1485 ; R20.1@2605,1427.72 2605,1465 2585,1485 ; R21.1@2690,1427.72 2690,1465 2670,1485 2585,1485 ; J3.9@2744.02,1767.91 2745,1768.9 2745,1855 2715,1885 2556.93,1885 2380,1708.07 ; 2380,1708.07 2430,1658.07 2430,1485 ; 2430,1485 2500,1485 ; 2500,1485 2585,1485
VDD1.8_ETH_CORE: C25.1 C26.1 C27.1 U4.15 U4.38 | length 568.8
  Top Layer w8: v1(1600,1470) 1602.05,1467.95 U4.15@1602.05,1431.26 ; C25.1@1674.53,1025 1674.53,1059.53 v1(1675,1060) 1680.79,1065.79 U4.38@1680.79,1088.74
  Bottom Layer w8: v1(1600,1470) 1600,1447.28 C26.1@1597.72,1445 1625,1445 1665,1405 1665,1125 1666.85,1123.15 1666.85,1121.86 1682.72,1105.99 C27.1@1682.72,1090 ; v1(1675,1060) 1681,1066 C27.1@1681,1088.28
VDD1.8_ETH_ETH_PLL: C29.1 FB4.1 U4.48 | length 179.1
  Top Layer w8: C29.1@1847.72,1030 1875,1057.28 v1(1875,1060) 1877.64,1062.64 U4.48@1877.64,1088.74
  Bottom Layer w8: v1@1872.72,1057.72 v1(1875,1060) 1879.5,1064.5 1934.03,1064.5 FB4.1@1965,1095.47
VDD1.8_ETH_USB_PLL: C28.1 FB4.2 U4.62 | length 342.2
  Top Layer w8: U4.62@1901.26,1368.27 1928.27,1368.27 v1(1930,1370)
  Bottom Layer w8: v1(1930,1370) 1952.28,1370 C28.1@1962.28,1360 1962.28,1339.59 2034,1267.87 2034,1202.13 1986.4,1154.53 FB4.2@1965,1154.53
VEXT_IN: C9.1 C16.1 C17.1 C18.1 FB2.1 R44.1 U1.2 U1.5 | length 552
  Bottom Layer w8: U1.2@606.1,1899.69 650.31,1899.69 670,1880 670,1810.43 C18.1@667.28,1807.72
  Bottom Layer w20: C9.1@604.53,1780 604.53,1837.82 606.1,1839.39 635.61,1839.39 667.28,1807.72 667.28,1705 670.47,1701.81 670.47,1619.06 FB2.1@680,1609.53 617.68,1609.53 C16.1@613.15,1605
VSELECTED: C7.1 C8.1 C11.1 C12.1 C67.1 C68.1 C74.1 C75.1 R1.1 R30.1 R31.1 R43.1 SW5.1 U2.5 U2.7 U2.8 U3.2 U9.10 U11.2 | length 4418.8
  Top Layer w12: 765,1980 765,1777.72 R30.1@780,1762.72 R31.1@820,1762.72 v3(847.72,1762.72) ; v3(1070,1600) 1095,1600 ; C67.1@1100,1574.53 1100,1595 1095,1600 ; C68.1@1100,1627.28 1100,1605 1095,1600
  Top Layer w15: SW5.1@285,1505 240,1550 240,1675 545,1980 765,1980 v3(1595,1980)
  Bottom Layer w8: R1.1@240,1537.28 272.28,1505 SW5.1@285,1505 ; 529.53,965 645,965 650,960 R43.1@650,927.72 ; U2.5@640.47,767.4 640.47,815.47 645.96,820.96
  Bottom Layer w12: v3(847.72,1762.72) 1052.28,1762.72 1070,1745 v3(1070,1600) 1067.8,1597.8 U9.10@1029.8,1597.8
  Bottom Layer w15: v3(1595,1980) 1910,1980 1934.53,1955.47 C75.1@1934.53,1885 1934.53,1838.19 C74.1@1937.72,1835 1945,1827.72 U11.2@1945,1803.39
  Bottom Layer w20: SW5.1@285,1505 230,1450 230,1105 335,1000 515,1000 529.53,985.47 529.53,965 U3.2@529.53,910.98 529.53,870 C12.1@550,849.53 553.19,852.72 C11.1@595,852.72 614.21,852.72 645.96,820.96 U2.8@699.53,767.4 739.69,767.4 C7.1@740,767.72 C8.1@781.81,767.72
VSYS: C4.1 C5.1 C6.1 FB1.1 M1.2 M1.4 M1.6 M1.14 | length 298.1
  Top Layer w8: M1.2@997.28,556.26 M1.4@1013.03,556.26 M1.6@1028.78,556.26 1028.78,521.22 1040,510 1080,510 1091.77,521.77 M1.14@1091.77,556.26
  Bottom Layer w12: C4.1@785,521.85 785,510.47 C5.1@850,510.47 895,510.47 C6.1@895,507.28
  other v2: 665,445 710,445 755,445 800,445 845,445
VUSB_IN: C1.1 FB5.1 U1.1 | length 477.2
  Bottom Layer w15: U1.1@606.1,1919.37 639.84,1919.37 C1.1@650.47,1930 650.47,1955.47 665,1970 730,1970 745,1955 745,1870 795,1820 FB5.1@935.47,1820
pads on no net: J3. J3.7 J4.4 J5.4 M1. M1.7 M1.19 M1.21 M1.23 M1.29 M1.31 M1.36 M1.38 M1.40 M1.49 M1.52 M1.67 M1.69 P4.0 P4.1 P6.0 P6.1 Q2.2 SW5.2 SW6. SW7. U1.7 U1.8 U1.9 U2.6 U4.3 U4.4 U4.6 U4.7 U4.8 U4.9 U4.13 U4.16 U4.17 U4.18 U4.23 U4.24 U4.25 U4.26 U4.31 U4.35 U4.36 U4.37 U4.42 U4.43 U4.45 U4.47 U5.2 U5.3 U5.4 U5.6 U5.7 U5.25 U5.26 U5.27 U5.29 U5.30 U5.31 U5.49 U5.50 U5.51 U9.4 U9.12 U9.14 U9.16 U13.15 U13.18 U13.21 Y3.2 Y3.4 Y4.2 Y4.4
copper on no net:
  other v6: 100,425 3050,425 100,1575 3050,1575

## Polygon pours and split planes (outlines as drawn)
GND on Bottom Layer "Keep-Out Layer-No Net" (solid, pour order 26): 0.5,305.12 148.14,305.12 cw(c148.14,150.15) 303.1,150.15 303.1,2.51 ccw(c305.62,2.51) 305.62,0 2844.99,0 ccw(c2844.99,2.51) 2847.5,2.51 2847.5,150.15 cw(c3002.47,150.15) 3002.47,305.12 3150.11,305.12 ccw(c3150.11,307.63) 3152.62,307.63 3152.62,1704.29 ccw(c3150.11,1704.29) 3150.11,1706.8 3002.47,1706.8 cw(c3002.47,1861.77) 2847.5,1861.77 2847.5,2009.4 ccw(c2844.99,2009.4) 2846.12,2011.65 ccw(c2843.88,2010.51) 2843.88,2013.03 305.62,2013.03 ccw(c305.62,2010.51) 303.1,2010.51 303.1,1862.88 cw(c148.14,1862.88) 148.14,1707.91 0.5,1707.91 ccw(c0.5,1705.4) -2.01,1705.4 -2.01,307.63 ccw(c0.5,307.63)
VSYS on Bottom Layer "Keep-Out Layer-No Net" (solid, pour order 22): 620,550 620,410 945,410 935,410 935,550
VCC3.3 on Bottom Layer "Bottom Layer-No Net" (solid, pour order 2): 1850,1620 1850,1720 1715,1720 1715,1620
VCC3.3A on Bottom Layer "Bottom Layer-No Net" (solid, pour order 4): 1900,1610 1900,1545 1710,1545 1710,1610
VCC3.3 on Bottom Layer "Bottom Layer-No Net 1" (solid, pour order 10): 520,820 520,960 250,960 250,820
GND on Top Layer "Keep-Out Layer-No Net" (solid, pour order 28): 0.5,305.12 148.14,305.12 cw(c148.14,150.15) 303.1,150.15 303.1,2.51 ccw(c305.62,2.51) 305.62,0 2844.99,0 ccw(c2844.99,2.51) 2847.5,2.51 2847.5,150.15 cw(c3002.47,150.15) 3002.47,305.12 3150.11,305.12 ccw(c3150.11,307.63) 3152.62,307.63 3152.62,1704.29 ccw(c3150.11,1704.29) 3150.11,1706.8 3002.47,1706.8 cw(c3002.47,1861.77) 2847.5,1861.77 2847.5,2009.4 ccw(c2844.99,2009.4) 2846.12,2011.65 ccw(c2843.88,2010.51) 2843.88,2013.03 305.62,2013.03 ccw(c305.62,2010.51) 303.1,2010.51 303.1,1862.88 cw(c148.14,1862.88) 148.14,1707.91 0.5,1707.91 ccw(c0.5,1705.4) -2.01,1705.4 -2.01,307.63 ccw(c0.5,307.63)
VSYS on Top Layer "Keep-Out Layer-No Net" (solid, pour order 20): 1100,620 1100,410 735,410 625,410 625,550 935,550 935,620
VCC3.3_2520 on Top Layer "Bottom Layer-No Net" (solid, pour order 6): 2175,1155 2175,1000 2325,1000 2325,1155
VCC3.3 on Top Layer "Bottom Layer-No Net" (solid, pour order 8): 2015,1070 2015,1150 2165,1150 2165,1075 2165,1070
GND on GND (Mid4) "Keep-Out Layer-No Net" (solid, pour order 14): 0,305.12 147.64,305.12 cw(c147.64,150.15) 302.6,150.15 302.6,2.51 ccw(c305.12,2.51) 305.12,0 2844.49,0 ccw(c2844.49,2.51) 2847,2.51 2847,150.15 cw(c3001.97,150.15) 3001.97,305.12 3149.61,305.12 ccw(c3149.61,307.63) 3152.12,307.63 3152.12,1704.29 ccw(c3149.61,1704.29) 3149.61,1706.8 3001.97,1706.8 cw(c3001.97,1861.77) 2847,1861.77 2847,2009.4 ccw(c2844.49,2009.4) 2845.62,2011.65 ccw(c2843.38,2010.51) 2843.38,2013.03 305.12,2013.03 ccw(c305.12,2010.51) 302.6,2010.51 302.6,1862.88 cw(c147.64,1862.88) 147.64,1707.91 0,1707.91 ccw(c0,1705.4) -2.51,1705.4 -2.51,307.63 ccw(c0,307.63)
VCC3.3 on VCC "Keep-Out Layer-No Net" (solid, pour order 18): 0.5,305.12 148.14,305.12 cw(c148.14,150.15) 303.1,150.15 303.1,2.51 ccw(c305.62,2.51) 305.62,0 2844.99,0 ccw(c2844.99,2.51) 2847.5,2.51 2847.5,150.15 cw(c3002.47,150.15) 3002.47,305.12 3150.11,305.12 ccw(c3150.11,307.63) 3152.62,307.63 3152.62,1704.29 ccw(c3150.11,1704.29) 3150.11,1706.8 3002.47,1706.8 cw(c3002.47,1861.77) 2847.5,1861.77 2847.5,2009.4 ccw(c2844.99,2009.4) 2846.12,2011.65 ccw(c2843.88,2010.51) 2843.88,2013.03 305.62,2013.03 ccw(c305.62,2010.51) 303.1,2010.51 303.1,1862.88 cw(c148.14,1862.88) 148.14,1707.91 0.5,1707.91 ccw(c0.5,1705.4) -2.01,1705.4 -2.01,307.63 ccw(c0.5,307.63)
VCC3.3_2520 on VCC "Keep-Out Layer-No Net" (solid, pour order 16): 2235,1140 2605,1140 2605,830 2605,760 2235,760
GND on GND "Keep-Out Layer-No Net" (solid, pour order 24): 2.51,303.78 150.15,303.78 cw(c150.15,148.82) 305.12,148.82 305.12,1.18 ccw(c307.63,1.18) 307.63,-1.33 2847,-1.33 ccw(c2847,1.18) 2849.52,1.18 2849.52,148.82 cw(c3004.48,148.82) 3004.48,303.78 3152.12,303.78 ccw(c3152.12,306.3) 3154.64,306.3 3154.64,1702.95 ccw(c3152.12,1702.95) 3152.12,1705.47 3004.48,1705.47 cw(c3004.48,1860.43) 2849.52,1860.43 2849.52,2008.07 ccw(c2847,2008.07) 2848.14,2010.32 ccw(c2845.89,2009.18) 2845.89,2011.7 307.63,2011.7 ccw(c307.63,2009.18) 305.12,2009.18 305.12,1861.54 cw(c150.15,1861.54) 150.15,1706.58 2.51,1706.58 ccw(c2.51,1704.06) 0,1704.06 0,306.3 ccw(c2.51,306.3)

## Keep-outs
Keep-Out Layer:
  lines w5: 2843.38,2008 305.12,2008 305.12,1860.36 cw(c147.64,1860.36) 147.64,1702.88 0,1702.88 0,305.12 147.64,305.12 cw(c147.64,147.64) 305.12,147.64 305.12,0 2844.49,0 2844.49,147.64 cw(c3001.97,147.64) 3001.97,305.12 3149.61,305.12 3149.61,1701.77 3001.97,1701.77 cw(c3001.97,1859.25) 2844.49,1859.25 2844.49,2006.89

## Other copper
Top Layer:
  pour cut-out: 0,580 600,580 600,395 935,395 935,0 0,0
GND:
  pour cut-out: 0,580 600,580 600,395 935,395 935,0 0,0
VCC:
  pour cut-out: 0,580 600,580 600,395 935,395 935,0 0,0
GND (Mid4):
  pour cut-out: 0,580 600,580 600,395 935,395 935,0 0,0
Bottom Layer:
  pour cut-out: 0,580 600,580 600,395 935,395 935,0 0,0

## Silkscreen, mask and mechanical layers (free items; w line width, h text height)
Top Overlay:
  region: 2675,855 2797.9,855 2797.9,920.62 2772.9,920.62 2772.9,979.98 2833.83,894.58 2838,894.58 2899.97,979.98 2899.97,920.62 2874.97,920.62 2874.97,855 2997.87,855 2997.87,920.62 2972.88,920.62 2972.88,1019.56 2997.87,1019.56 2997.87,1085.18 2900.49,1085.18 2838,998.73 2834.88,998.73 2772.38,1085.18 2675,1085.18 2675,1019.56 2698.96,1019.56 2698.96,920.62 2675,920.62
  text "VCC3.3" at 2850,1205 h30
  text "GND" at 3040,1205 h30
  text "Intel Edison" at 2675,815 h30
  text "Kuo, 01 '16" at 2685,765 h30
  text "GND" at 220,560 h30
Mechanical 13:
  lines w10: -300,-5 3500,-5 ; -300,2010 3500,2010
Mechanical 15:
  lines w30: -15,292.5 150,292.5 cw(c150,150) 292.5,150 292.5,0 ; -15,1715 150,1715 ; -13,292.5 -13,1715 ; 150,1715.5 ccw(c150,1858) 292.5,1858 292.5,2010 ; 2857.5,0 2857.5,150 cw(c3000,150) 3000,292.5 ; 2857.5,2020 2857.5,1857.5 ccw(c3000,1857.5) 3000,1715 3160,1715 3160,292.5 3002.5,292.5